# Altium PCB LimeSDR-Micro_M.2_1v0.PcbDoc (part 7 of 7)
Units mm, origin at the board's own origin, x right, y up, seen from the top; angles counter-clockwise.
Board outline 80 x 22 mm, 8 copper layers (Top, L2, L3, L4, L5, L6, L7, Bottom), stack 0.775 mm thick; 661 components, 371 nets, 2334 pads, 807 vias.
Unrouted connection lines stored in the file: 254.
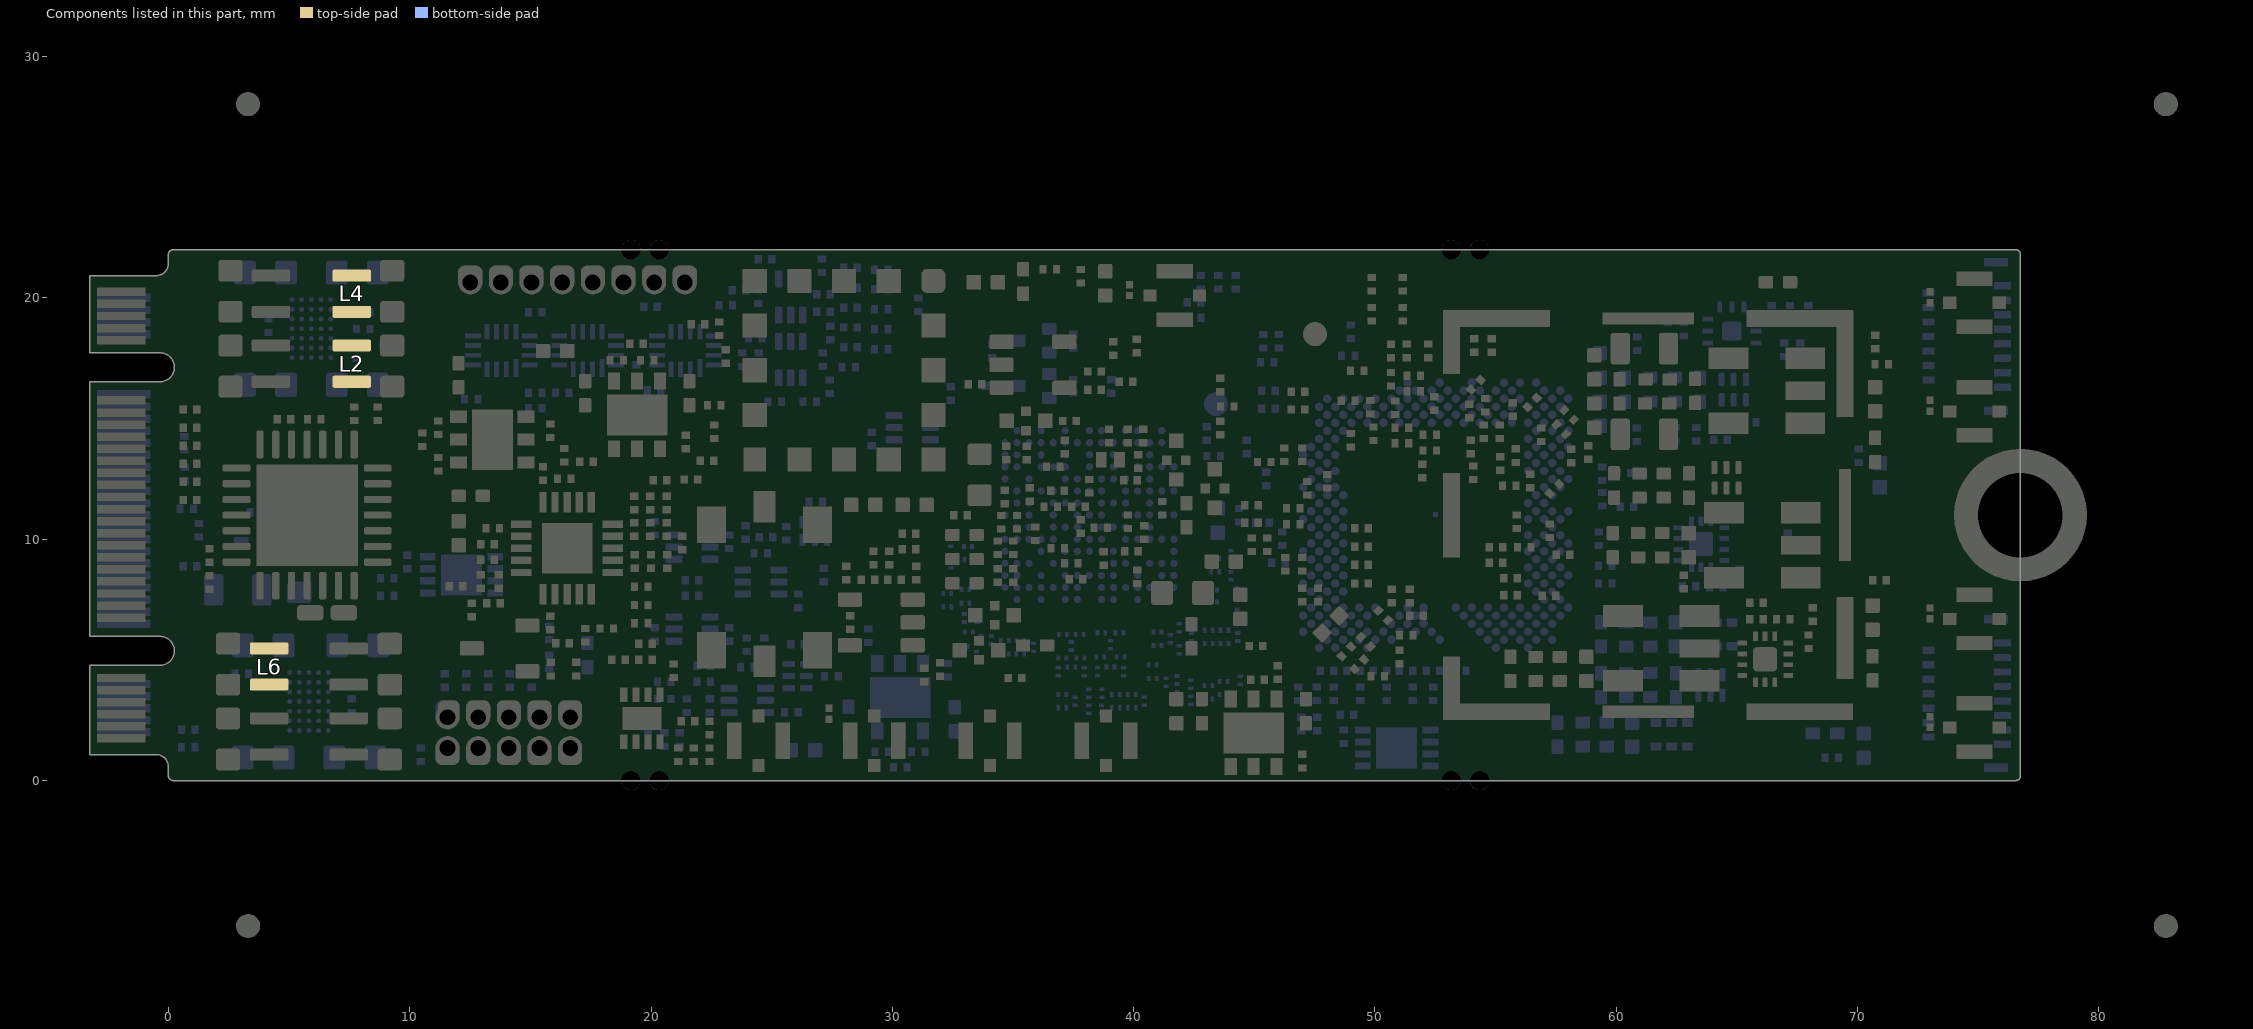
[diagram p13: the components of this part, seen from the top]

## Other copper
Top:
  region net VCC0P9: 36.919,9.944 36.775,9.8 36.775,8.794 36.374,8.393 36.125,8.393 36.125,9.625 36.25,9.75 36.25,10.15 36.482,10.382
  region net VCC0P9: 36.375,6.984 36.375,8.008 36.182,8.201 35.975,7.994 35.975,7.875 35.6,7.5 35.6,6.991 35.866,6.725 36.116,6.725
  pour cut-out: 74.1,15.75 70.4,15.75 ccw(c70.4,15.5) 70.15,15.5 70.15,13.15 ccw(c70.75,13.15) 70.75,12.55 ccw(c70.75,13.1) 71.3,13.1 71.3,14.05 cw(c72.05,14.05) 72.05,14.8 74.1,14.8
  pour cut-out: 74.1,2.675 72.866,2.675 ccw(c72.866,2.334) 72.625,2.575 cw(c72.263,2.937) 72.263,2.425 70.925,2.425 ccw(c70.925,1.975) 70.475,1.975 ccw(c70.975,1.975) 70.975,1.475 72.598,1.475 ccw(c72.598,1.902) 72.9,1.6 cw(c73.141,1.359) 73.141,1.7 74.125,1.7
  pour cut-out: 65.875,4.375 65.875,3.7 ccw(c66.375,3.7) 66.375,3.2 70.625,3.2 ccw(c70.625,3.8) 71.225,3.8 71.225,5.35 cw(c71.625,5.35) 71.625,5.75 71.907,5.75 ccw(c71.907,6.518) 72.45,5.975 cw(c72.993,5.432) 72.993,6.2 74.45,6.2 74.45,7.175 72.533,7.175 ccw(c72.533,6.492) 72.05,6.975 cw(c71.507,7.518) 71.507,6.75 70.275,6.75 ccw(c70.275,6.4) 69.925,6.4 69.925,4.275 cw(c69.75,4.275) 69.75,4.1 66.725,4.1 cw(c66.725,4.375) 66.45,4.375
  pour cut-out: 62.825,20.025 62.825,19.975 ccw(c63.275,19.975) 63.275,19.525 ccw(c63.275,20.007) 63.757,20.007 63.757,20.025 cw(c63.957,20.025) 63.957,20.225 69.403,20.225 cw(c69.403,19.446) 69.953,19.997 70.025,19.925 ccw(c71.292,21.192) 71.292,19.4 74.4,19.4 74.4,20.225 71.36,20.225 cw(c71.36,21.335) 70.575,20.55 ccw(c69.187,19.162) 69.187,21.125 63.925,21.125 ccw(c63.925,20.025)
  pour cut-out: 31.825,17.975 32.856,19.006 cw(c34.652,17.21) 34.652,19.75 35.584,19.75 ccw(c35.584,21.116) 36.55,20.15 cw(c37.335,19.365) 37.335,20.475 41.225,20.475 41.225,19.7 38.497,19.7 ccw(c38.497,18.078) 37.35,19.225 37.22,19.095 cw(c36.025,20.29) 36.025,18.6 34.414,18.6 ccw(c34.414,17.661) 33.75,18.325 32.851,17.426 ccw(c33.576,16.7) 32.55,16.7 32.55,16.075 30.775,16.075 30.775,17.975
  pour cut-out: 66.666,4.45 68.166,4.45 ccw(c68.166,5.475) 69.191,5.475 69.191,11.875 ccw(c67.691,11.875) 67.691,13.375 64.716,13.375 64.716,12.525 67.416,12.525 cw(c67.416,11.475) 68.466,11.475 68.466,5.925 cw(c68.166,5.925) 68.166,5.625 66.666,5.625
  pour cut-out: 53.091,7.55 53.091,6.825 ccw(c53.441,6.825) 53.441,6.475 cw(c53.441,5.15) 54.766,5.15 54.766,4.2 ccw(c55.416,4.2) 55.416,3.55 61.441,3.55 61.441,7.525 59.841,7.525 cw(c59.841,7.85) 59.516,7.85 59.516,8.45 cw(c59.791,8.45) 59.791,8.725 62.866,8.725 cw(c62.866,8.45) 63.141,8.45 63.141,8.15 ccw(c63.616,8.15) 63.616,7.675 68.666,7.675 68.666,9.975 66.441,9.975 cw(c66.441,10.65) 65.766,10.65 65.766,11.35 ccw(c65.416,11.35) 65.416,11.7 64.416,11.7 64.416,13.35 59.691,13.35 ccw(c59.691,11.8) 58.141,11.8 58.141,7.775 cw(c57.816,7.775) 57.816,7.45 55.157,7.45 cw(c55.157,7.791) 54.916,7.55 ccw(c54.614,7.248) 54.614,7.675 53.216,7.675 ccw(c53.216,7.55)
  pour cut-out: 54.741,16.725 54.741,16.2 ccw(c55.141,16.2) 55.141,15.8 55.465,15.8 ccw(c55.465,17.251) 56.491,16.225 56.659,16.393 cw(c57.141,15.911) 57.141,16.593 57.198,16.593 cw(c57.198,16.375) 57.416,16.375 ccw(c58.466,16.375) 58.466,15.325 62.203,15.325 cw(c62.203,14.462) 63.066,14.462 ccw(c63.578,14.462) 63.578,13.95 65.266,13.95 ccw(c65.266,14.575) 65.891,14.575 65.891,16.15 cw(c66.566,16.15) 66.566,16.825 69.041,16.825 69.041,19.221 65.291,19.221 65.291,19.5 ccw(c64.966,19.5) 64.966,19.825 64.766,19.825 ccw(c64.766,19.375) 64.316,19.375 64.316,18.95 cw(c63.791,18.95) 63.791,18.425 ccw(c63.791,18.05) 63.416,18.05 63.416,17.825 cw(c62.741,17.825) 62.741,17.15 58.916,17.15 cw(c58.916,17.325) 58.741,17.325 ccw(c58.241,17.325) 58.241,17.825 56.802,17.825 ccw(c56.802,16.289) 55.716,17.375 55.407,17.066 cw(c55.066,17.408) 55.066,16.925 54.941,16.925 ccw(c54.941,16.725)
  region net NetIC27_A2: 5.402,17.578 5.402,16.764 5.278,16.641 4.801,17.118 4.801,17.401 5.225,17.825
  region net NetIC27_F2: 5.402,19.872 5.402,20.686 5.278,20.809 4.801,20.332 4.801,20.049 5.225,19.625
  region net VCC1P5: 4.425,3.325 4.425,3.775 5.125,3.775 5.125,3.325
  region net VCC2P05: 5.125,3.225 4.425,3.225 4.425,2.65 5.125,2.65
  region net NetIC31_F2: 6.525,2.375 7.1,1.8 7.1,1.625 6.425,1.625 6.225,1.825 6.225,2.425
  region net NetIC31_F4: 5.125,2.375 4.55,1.8 4.55,1.625 5.225,1.625 5.425,1.825 5.425,2.425
  region net NetIC31_A4: 5.125,4.175 4.55,4.75 4.55,4.925 5.225,4.925 5.425,4.725 5.425,4.125
  region net NetIC31_A2: 6.525,4.175 7.1,4.75 7.1,4.925 6.425,4.925 6.225,4.725 6.225,4.125
  region net GND: 3.463,21.278 2.601,21.278 2.575,21.252 2.423,21.404 2.423,21.796 3.333,21.796 3.475,21.654 3.475,21.283
  region net GND: 2.125,15.875 3.025,15.875 3.175,16.025 3.175,16.775 2.975,16.975 2.1,16.975 1.925,16.8 1.925,16.075
  region net GND: 73.4,7.571 73.4,8.254 74.225,8.254 74.225,7.575
  pour cut-out: -3.25,1.075 -3.25,4.775 -0.575,4.775 -0.575,1.075
  pour cut-out: -3.25,16.525 -3.25,5.975 -0.575,5.975 -0.575,16.525
  pour cut-out: -3.25,20.925 -3.25,17.725 -0.575,17.725 -0.575,20.925
  region net GND: 10.033,21.796 8.5,21.796 8.5,20.575 8.7,20.375 9.275,20.375 9.633,20.733 10.081,20.733 10.3,20.953 10.3,21.529
  region net GND: 16.925,15.85 16.925,15.275 17.9,14.3 18.275,14.3 18.8,14.825 18.8,16 17.075,16
  region net GND: 10.086,16.917 9.808,16.917 9.675,17.05 8.95,17.05 8.675,16.775 8.675,16.075 8.725,16.025 9.375,16.025 9.675,16.325 9.675,16.6 9.738,16.663 10.086,16.663
  region net GND: 3.175,20.675 2.925,20.425 1.725,20.425 1.65,20.5 1.65,21.629 1.817,21.796 3.029,21.796 3.175,21.65
  region net GND: 13.3,11.65 13.65,12 13.65,12.95 12.575,12.95 12.575,11.95 12.875,11.65
  region net GND: 38.346,0.204 39.354,0.204 39.354,0.646 38.346,0.646
  region net GND: 33.546,0.646 34.554,0.646 34.554,0.204 33.546,0.204
  region net GND: 28.746,0.646 29.754,0.646 29.754,0.204 28.746,0.204
  region net GND: 8.575,1.325 8.825,1.575 9.936,1.575 9.936,1.002 9.682,0.748 8.702,0.748 8.575,0.75
  region net GND: 8.417,0.204 10.475,0.204 10.475,0.748 8.398,0.748 8.304,0.654
  region net GND: 1.717,0.204 3.233,0.204 3.375,0.346 3.375,0.717 1.745,0.717 1.714,0.748
  region net GND: 8.575,5.1 8.575,6 8.7,6.125 9.675,6.125 9.875,5.925 9.875,5.025 9.725,4.875 8.8,4.875
  region net VCC1P35_SW: 2,17.693 2,17.375 2.15,17.225 3.475,17.225 3.917,17.667
  region net VCC3P3: 2,19.362 2,20.075 2.15,20.225 3.475,20.225 4.306,19.394
  region net VCC1P8: 32.175,6.625 32.425,6.625 32.5,6.55 32.5,5.8 31.975,5.8 31.65,6.125
  region net VCC1P8: 31.725,6.625 31.65,6.55 31.65,5.7 32.7,4.65 32.825,4.65 33.125,4.95 33.125,5.675 32.175,6.625
  region net VCC1P35_SW: 39.8,18.5 40.15,18.85 40.7,18.85 41.425,18.125 41.425,17.725 41.225,17.525 40.925,17.525 40.35,18.1 39.975,18.1 39.8,18.275
  region net VCC1P5: 42.1,2.675 42.1,1.475 41.875,1.25 40.825,1.25 40.675,1.4 40.675,2.4 40.95,2.675 41.425,2.675
  region net VCC1P8: 33.6,18.075 32.975,17.45 32.975,16.925 33.15,16.75 33.3,16.75 33.625,16.425 33.705,16.425 33.863,16.582 33.863,17.987 33.775,18.075
  region net VCC2P05: 2.1,3.225 1.275,3.225 1.075,3.025 1.075,2.375 1.263,2.187 2.029,2.187
  region net VCC2P05: 15.825,18.15 15.45,18.15 15.05,18.55 13.375,18.55 12.95,18.125 12.95,17.475 13.3,17.125 15.4,17.125 15.725,17.45 15.825,17.55
  region net VCC1P75: 9.55,3.325 9.7,3.325 9.975,3.6 9.975,4.35 9.9,4.425 9.625,4.425 9.55,4.35
  region net VCC3P3: 42.05,5.775 42.05,5.3 42.175,5.175 42.45,5.175 42.75,4.875 43.325,4.875 43.425,4.975 43.425,5.575 43.225,5.775
  region net NetC236_2: 16.225,16.55 16.575,16.2 18.725,16.2 18.725,16.9 17.581,16.9 17.206,17.275 16.225,17.275
  region net NetC236_2: 19.3,17.925 17.475,17.925 17.25,17.7 17.25,16.762 17.038,16.55 16.225,16.55 16.225,18 17.05,18.825 19.175,18.825 19.325,18.675 19.325,17.95
  region net VCC1P8_LMS: 19.95,16.2 19.95,17.6 19.7,17.85 19.525,17.85 19.525,18.5 19.65,18.625 20.775,18.625 21.437,17.963 21.437,16.2
  region net VCC2P05: 5.3,2.7 4.725,2.125 2.025,2.125 1.9,2.25 1.9,3.025 2.1,3.225 4.425,3.225 4.65,3 4.9,3 5.125,3.225 5.45,3.225 5.6,3.075 5.6,2.85 5.45,2.7
  region net VCC1P5: 5.3,3.85 4.725,4.425 2.025,4.425 1.9,4.3 1.9,3.525 2.1,3.325 4.425,3.325 4.65,3.55 4.9,3.55 5.125,3.325 5.45,3.325 5.6,3.475 5.6,3.7 5.45,3.85
  region net NetC218_2: 44.975,5.175 44.5,4.7 44.5,4.05 44.2,3.75 42.9,3.75 42.663,3.987 43.525,4.85 43.525,5.325 44.225,6.025 44.825,6.025 44.975,5.875
  region net VCC1P25_LMS: 45.375,5.225 46.075,5.225 46.875,4.425 47.725,4.425 47.85,4.3 47.85,3.525 48.55,3.525 48.55,4.675 47.809,5.416 47.809,6.45 45.575,6.45 45.2,6.075 45.2,5.4
  region net NetC218_2: 44.275,3.025 44.275,3.825 44.025,4.075 41.85,4.075 41.475,3.7 41.475,3.1 41.55,3.025
  region net VCC1P8_LMS: 20.125,16.2 20.125,16.925 20.3,17.1 20.3,17.625 20.638,17.963 21.437,17.963 22.925,16.475 22.925,16.3 22.825,16.2
  region net NetC245_2: 10.725,14 10.825,13.9 10.825,12.525 11.2,12.15 12.325,12.15 12.375,12.1 12.375,10.45 11.3,10.45 10,11.75 10,13.85 10.15,14
  region net VCC3P3_CLK: 10.7,14.225 10.8,14.325 10.8,14.625 10.925,14.75 11.775,14.75 12.025,15 12.025,15.775 11.775,16.025 10.8,16.025 10,15.225 10,14.375 10.15,14.225
  region net VCC1P35: 39.9,17.95 39.8,17.85 39.8,16.6 40.05,16.35 41.025,16.35 41.125,16.45 41.125,17.15 40.7,17.575 40.325,17.95
  region net VCC1P25_LMS: 48.015,2.35 49.45,2.35 49.45,2.975 48.575,3.85 47.45,3.85 47.275,3.675 47.275,3.09
  region net VCC1P35_LDO: 39.151,17.624 38.3,18.475 36.725,18.475 36.625,18.375 36.625,17.825 37.125,17.325 38.2,17.325 39.025,16.5
  region net VCC1P35_LDO: 39.5,16.35 39.175,16.35 38.85,16.675 38.575,16.675 38.425,16.825 38.425,17.725 38.475,17.775 39.1,17.775 39.55,17.325 39.55,16.4
  region net VCC1P75: 6.35,3.85 6.925,4.425 9.625,4.425 9.75,4.3 9.75,3.525 9.55,3.325 7.225,3.325 7,3.55 6.75,3.55 6.525,3.325 6.2,3.325 6.05,3.475 6.05,3.7 6.2,3.85
  region net VCC1P25_LMS: 49.45,2.35 48.853,2.947 48.853,3.55 50.15,3.55 50.7,3 50.7,2.725 50.325,2.35
  region net VCC1P25_LMS: 46.05,2.3
  region net NetIC31_F2: 6.075,2.425 6.1,2.4 6.1,1.325 6.6,0.825 8.275,0.825 8.3,0.85 8.3,1.475 7.825,1.95 6.825,1.95 6.525,2.25 6.525,2.375 6.3,2.6 6.225,2.6 6.075,2.45
  region net VCC_CLK: 6.35,2.7 6.925,2.125 9.625,2.125 9.75,2.25 9.75,3.025 9.55,3.225 7.225,3.225 7,3 6.75,3 6.525,3.225 6.2,3.225 6.05,3.075 6.05,2.85 6.2,2.7
  region net NetIC31_A2: 6.075,4.125 6.1,4.15 6.1,5.225 6.6,5.725 8.275,5.725 8.3,5.7 8.3,5.075 7.825,4.6 6.825,4.6 6.525,4.3 6.525,4.175 6.3,3.95 6.225,3.95 6.075,4.1
  region net NetIC31_F4: 5.575,2.425 5.55,2.4 5.55,1.325 5.05,0.825 3.375,0.825 3.35,0.85 3.35,1.475 3.825,1.95 4.825,1.95 5.125,2.25 5.125,2.375 5.35,2.6 5.425,2.6 5.575,2.45
  region net NetIC31_A4: 5.575,4.125 5.55,4.15 5.55,5.225 5.05,5.725 3.375,5.725 3.35,5.7 3.35,5.075 3.825,4.6 4.825,4.6 5.125,4.3 5.125,4.175 5.35,3.95 5.425,3.95 5.575,4.1
  region net VCC0P9: 6.45,18.15 6.725,17.875 6.725,17.75 6.925,17.55 8.15,17.55 8.5,17.2 9.85,17.2 10.025,17.025 10.325,17.025 10.85,17.55 10.85,18.1 10.275,18.675 6.325,18.675 6.175,18.525 6.175,18.225 6.25,18.15
  region net VCC1P8: 6.45,19.3 6.725,19.575 6.725,19.7 6.925,19.9 8.15,19.9 8.5,20.25 9.45,20.25 9.825,20.625 10.4,20.625 10.775,20.25 10.775,19.5 10.05,18.775 6.325,18.775 6.175,18.925 6.175,19.225 6.25,19.3
  region net VCC1P35_SW: 5.4,18.15 4.825,17.575 2.125,17.575 2,17.7 2,18.475 2.2,18.675 4.525,18.675 4.75,18.45 5,18.45 5.225,18.675 5.55,18.675 5.7,18.525 5.7,18.3 5.55,18.15
  region net VCC3P3: 5.4,19.3 4.825,19.875 2.125,19.875 2,19.75 2,18.975 2.2,18.775 4.525,18.775 4.75,19 5,19 5.225,18.775 5.55,18.775 5.7,18.925 5.7,19.15 5.55,19.3
  region net NetIC27_A2: 5.675,17.875 5.65,17.85 5.65,16.775 5.15,16.275 3.475,16.275 3.45,16.3 3.45,16.925 3.925,17.4 4.925,17.4 5.225,17.7 5.225,17.825 5.45,18.05 5.525,18.05 5.675,17.9
  region net NetIC27_A4: 6.175,17.875 6.2,17.85 6.2,16.775 6.7,16.275 8.375,16.275 8.4,16.3 8.4,16.925 7.925,17.4 6.925,17.4 6.625,17.7 6.625,17.825 6.4,18.05 6.325,18.05 6.175,17.9
  region net NetIC27_F2: 5.675,19.575 5.65,19.6 5.65,20.675 5.15,21.175 3.475,21.175 3.45,21.15 3.45,20.525 3.925,20.05 4.925,20.05 5.225,19.75 5.225,19.625 5.45,19.4 5.525,19.4 5.675,19.55
  region net NetIC27_F4: 6.175,19.575 6.2,19.6 6.2,20.675 6.7,21.175 8.375,21.175 8.4,21.15 8.4,20.525 7.925,20.05 6.925,20.05 6.625,19.75 6.625,19.625 6.4,19.4 6.325,19.4 6.175,19.55
  region net VCC0P9_AFE_SVDD: 35.816,8.525 35.916,8.625 35.916,9.5 35.816,9.6 33.266,9.6 32.916,9.25 32.916,6.6 33.091,6.425 33.716,6.425 33.891,6.6 33.891,8.275 34.141,8.525
  pour cut-out: 64.416,11.385 65.766,11.385 65.766,12.525 64.416,12.525
  region net VCC0P9: 34.741,6.55 35.091,6.55 35.391,6.25 35.641,6.25 36.141,6.75 36.141,7.356 35.872,7.625 35.091,7.625 34.741,7.275
  region net VCC1P35: 35.2,15.55 35.1,15.65 34.041,15.65 33.916,15.525 33.916,15.012 34.428,14.5 35.2,14.5
  region net VCC1P8: 41.716,9.85 41.941,10.075 42.491,10.075 42.616,10.075 42.716,9.975 42.716,9.35 42.591,9.225 41.716,9.225
  region net VCC1P8_AFE_OTVDD: 39.491,9.125 39.491,8.65 39.566,8.575 40.316,8.575 40.391,8.65 40.391,8.9 40.241,9.05 40.091,9.2 39.566,9.2
  region net GND: 34.316,10.575 34.116,10.375 34.116,9.85 34.191,9.775 36.091,9.775 36.141,9.825 36.141,10.1 36.041,10.2 35.666,10.2 35.291,10.575
  region net VCC1P8: 39.667,11.825 38.541,11.825 38.491,11.875 38.491,12.625 39.667,12.625
  region net VCC1P35: 34.891,13.7 34.916,13.725 34.916,14.2 35.2,14.484 35.2,15.091 35.041,15.25 34.441,15.25 34.316,15.125 34.316,14.1 34.516,13.9 34.516,13.725 34.541,13.7
  region net VCC1P35_SD_XVDD: 36.478,14.275 36.366,14.162 36.366,13.85 36.623,13.592 36.623,13.5 36.3,13.5 35.911,13.889 35.911,14.11 36.076,14.275 36.166,14.275
  region net VCC1P35_SD_XVDD: 36.166,14.275 36.791,14.275 37.241,14.725 37.241,15.2 37.016,15.425 36.016,15.425 35.866,15.275 35.866,14.155 35.956,14.065
  region net VCC1P35_SD_XVDD: 36.066,14.175 35.541,14.175 35.391,14.025 35.391,13.675 35.449,13.617 36.183,13.617
  region net VCC1P35_SD_XVDD: 36.791,12.8 37.266,12.8 37.341,12.875 37.341,13.675 37.316,13.7 36.816,13.7 36.766,13.65 36.766,12.825
  region net VCC1P35_AVDD_SD_PLL: 34.891,13.425 34.891,13.325 35.291,12.925 35.816,12.925 35.891,12.85 35.891,11.975 35.741,11.825 35.091,11.825 34.991,11.725 34.366,11.725 34.016,11.375 33.191,11.375 33.016,11.55 33.016,12.275 33.091,12.35 33.891,12.35 34.35,12.809 34.35,13.284 34.516,13.45 34.866,13.45
  region net VCC0P9: 36.591,11.475 36.591,9.895 37.341,9.9 37.391,9.95 37.391,10.866 37.591,11.066 37.591,11.6 37.491,11.7 36.816,11.7
  pour cut-out: 62.366,7.45 62.366,5.65 64.766,5.65 64.766,7.45
  region net VCC1P8_LMS: 62.516,13.7 62.741,13.925 62.941,13.925 63.066,14.05 63.066,14.875 62.941,15 61.941,15 61.766,14.825 61.766,14 62.066,13.7
  region net VCC1P8_LMS: 61.766,17.15 62.741,17.15 63.166,17.575 63.166,18.475 63.091,18.55 62.691,18.55 62.341,18.55 62.341,18.475 61.766,17.9
  region net NetC52_1: 48.686,9.83
  region net VCC1P8_LMS: 20.3,16.55
  region: 12.025,15.075
L2:
  pour cut-out: 55.876,3.815 55.351,3.815 55.351,4.44 55.876,4.44
  pour cut-out: 56.356,3.865 56.356,4.39 56.981,4.39 56.981,3.865
  pour cut-out: 56.356,4.865 56.356,5.39 56.981,5.39 56.981,4.865
  pour cut-out: 59.078,3.815 58.451,3.815 58.451,4.44 59.078,4.44
  pour cut-out: 55.876,5.435 55.351,5.435 55.351,4.81 55.876,4.81
  pour cut-out: 59.078,5.435 58.451,5.435 58.451,4.81 59.078,4.81
  pour cut-out: 57.976,3.865 57.976,4.39 57.351,4.39 57.351,3.865
  pour cut-out: 57.976,4.865 57.976,5.39 57.351,5.39 57.351,4.865
  pour cut-out: 59.403,15.315 58.776,15.315 58.776,15.94 59.403,15.94
  pour cut-out: 59.403,16.935 58.776,16.935 58.776,16.31 59.403,16.31
  pour cut-out: 62.501,16.365 62.501,16.89 61.876,16.89 61.876,16.365
  pour cut-out: 62.501,15.365 62.501,15.89 61.876,15.89 61.876,15.365
  pour cut-out: 60.401,16.935 59.876,16.935 59.876,16.31 60.401,16.31
  pour cut-out: 60.881,16.365 60.881,16.89 61.506,16.89 61.506,16.365
  pour cut-out: 60.881,15.365 60.881,15.89 61.506,15.89 61.506,15.365
  pour cut-out: 60.401,15.315 59.876,15.315 59.876,15.94 60.401,15.94
  pour cut-out: 63.501,15.315 62.976,15.315 62.976,15.94 63.501,15.94
  pour cut-out: 63.501,16.935 62.976,16.935 62.976,16.31 63.501,16.31
  pour cut-out: 63.274,13.035 62.749,13.035 62.749,12.41 63.274,12.41
  pour cut-out: 63.274,11.415 62.749,11.415 62.749,12.04 63.274,12.04
  pour cut-out: 60.174,11.415 59.649,11.415 59.649,12.04 60.174,12.04
  pour cut-out: 60.654,11.465 60.654,11.99 61.279,11.99 61.279,11.465
  pour cut-out: 60.654,12.465 60.654,12.99 61.279,12.99 61.279,12.465
  pour cut-out: 60.174,13.035 59.649,13.035 59.649,12.41 60.174,12.41
  pour cut-out: 62.274,11.465 62.274,11.99 61.649,11.99 61.649,11.465
  pour cut-out: 62.274,12.465 62.274,12.99 61.649,12.99 61.649,12.465
  pour cut-out: 62.214,9.99 62.214,10.515 61.589,10.515 61.589,9.99
  pour cut-out: 62.214,8.99 62.214,9.515 61.589,9.515 61.589,8.99
  pour cut-out: 63.316,10.56 62.689,10.56 62.689,9.935 63.316,9.935
  pour cut-out: 60.114,10.56 59.589,10.56 59.589,9.935 60.114,9.935
  pour cut-out: 63.316,8.94 62.689,8.94 62.689,9.565 63.316,9.565
  pour cut-out: 60.594,9.99 60.594,10.515 61.219,10.515 61.219,9.99
  pour cut-out: 60.594,8.99 60.594,9.515 61.219,9.515 61.219,8.99
  pour cut-out: 60.114,8.94 59.589,8.94 59.589,9.565 60.114,9.565
  pour cut-out: 62.196,5.95 64.276,5.95 64.276,7.7 62.196,7.7
  pour cut-out: 68.541,9.275 66.824,9.275 66.824,7.8 68.541,7.8
  pour cut-out: 69.091,18.365 67.011,18.365 67.011,16.615 69.091,16.615
  pour cut-out: 65.911,15.675 63.831,15.675 63.831,13.925 65.911,13.925
  pour cut-out: 65.566,18.175 63.831,18.175 63.831,16.615 65.716,16.615 65.716,18.025
  pour cut-out: 65.724,9.275 63.644,9.275 63.644,7.525 65.724,7.525
  pour cut-out: 65.724,11.725 63.644,11.725 63.644,10.215 65.724,10.215
  pour cut-out: 61.536,4.995 59.456,4.995 59.456,3.245 61.536,3.245
  pour cut-out: 61.536,7.69 59.456,7.69 59.456,5.94 61.536,5.94
L4:
  region net VCC1P8: 33.225,7 32.475,6.25 31.75,6.25 31.625,6.375 31.625,6.9 31.9,7.175 32.125,7.175 32.75,7.8 33.225,7.8
  region net VCC1P4_LMS: 31.825,1.175 32.025,0.975 32.875,0.975 33.175,1.275 32.85,1.6 31.825,1.6
  region net VCC1P4_LMS: 31.825,2.025 32.025,2.225 32.875,2.225 33.175,1.925 32.85,1.6 31.825,1.6
  region net VCC1P8_LMS: 51.575,3.525 51.016,3.525 50.916,3.625 50.916,3.825 50.991,3.9 51.191,3.9 51.316,4.025 51.816,4.025 51.816,3.766
  region: 51.916,3.525
L6:
  region net VCC1P8: 9.462,19.687 9.9,19.25 10.025,19.25 10.5,19.725 10.5,20.3 10.4,20.4 10.175,20.4
  region net VCC_EXT: 5.175,5.55 5.4,5.325 6.15,5.325 7.15,4.325 7.15,2.275 6.375,1.5 5.525,1.5 5.3,1.275 5.3,0.825 5.425,0.7 7.75,0.7 8.225,1.175 8.225,5.225 6.975,6.475 5.35,6.475 5.175,6.3
  region net VCC3P3_M.2: 0.325,6.4 0.325,6.875 0,7.2 0,7.8 0.425,8.225 1.225,8.225 1.425,8.025 1.425,6.4
  region net VCC0P9: 38.341,10.725 38.466,10.85 38.466,11.075 38.566,11.175 38.841,11.175 39.341,10.675 39.341,10.425 39.141,10.225 38.341,10.225
  text "A" at 72.325,11.575 h0.7
  text "V" at 73.325,11.575 h0.7
  text "L" at 72.8,11 h0.7
  text "D" at 72.575,9.875 h0.7
  text "R" at 73.125,9.875 h0.7
Bottom:
  pour cut-out: 65.266,15.25 65.8,15.25 ccw(c65.8,15.725) 66.275,15.725 66.275,17.266 ccw(c65.916,17.266) 65.916,17.625 65.291,17.625
  pour cut-out: 63.316,18.225 cw(c63.316,18.575) 62.966,18.575 62.966,20.141 cw(c63.275,20.141) 63.275,20.45 cw(c63.275,20.1) 63.625,20.1 63.625,19.291 ccw(c63.791,19.291) 63.791,19.125 64.316,19.125 cw(c64.316,18.952) 64.488,18.952 64.488,18.763 cw(c63.95,18.763) 63.95,18.225
  pour cut-out: 61.6,1.025 cw(c61.6,0.059) 62.283,0.742 62.325,0.7 ccw(c62.868,1.243) 62.868,0.475 63.3,0.475 ccw(c63.3,1.175) 64,1.175 64,1.496 cw(c64.854,1.496) 64.25,2.1 64.457,2.307 ccw(c63.689,3.075) 64.775,3.075 63.899,3.075 62.799,1.975 61.6,1.975
  pour cut-out: 64.35,11.575 cw(c64.35,9.6) 66.325,9.6 66.325,4.3 ccw(c68.2,4.3) 68.2,2.425 71,2.425 71,1.475 68.077,1.475 cw(c68.077,4.015) 66.281,2.219 65.743,2.757 ccw(c64.975,1.989) 64.975,3.075 63.899,3.075 63.899,4.1 64.675,4.1 ccw(c64.675,4.425) 65,4.425 65,6.425 ccw(c64.55,6.425) 64.55,6.875 63.125,6.875 cw(c63.125,8.25) 61.75,8.25 61.75,9.301 cw(c62.774,9.301) 62.05,10.025 62.335,10.31 ccw(c61.695,10.95) 62.6,10.95 cw(c63.225,10.95) 63.225,11.575
  pour cut-out: 56.816,2.65 56.935,2.53 ccw(c57.25,2.845) 57.25,2.4 57.56,2.4 57.563,2.403 57.563,1.403 57.25,1.403 cw(c57.25,3.184) 55.991,1.925
  pour cut-out: 59.209,3.45 57.745,3.45 cw(c57.745,5.755) 56.116,4.125 55.815,4.426 cw(c56.839,5.45) 55.391,5.45 55.391,6.375 56.427,6.375 56.427,5.121 56.898,4.65 59.209,4.65
  pour cut-out: 53.771,4.672 ccw(c55.044,4.672) 54.144,3.772 55.991,1.925 ccw(c56.594,2.529) 56.594,1.675 56.816,1.675 56.816,2.65 54.678,4.788 cw(c55.19,5.3) 54.466,5.3 53.771,5.3
  pour cut-out: 55.341,16.075 55.341,16.95 cw(c56.066,16.95) 56.066,17.675 57.302,17.675 cw(c57.302,16.736) 57.966,17.4 ccw(c58.931,18.366) 58.931,17 58.966,17 58.966,15.4 cw(c58.966,16.064) 58.496,15.594 57.386,16.704 ccw(c57.216,16.534) 57.216,16.775 56.841,16.775 ccw(c56.841,16.425) 56.491,16.425 56.491,16.075
  pour cut-out: 57.32,1.024 63.32,1.024 63.32,2.774 57.32,2.774
  pour cut-out: 59.125,3.075 65.125,3.075 65.125,4.825 59.125,4.825
  pour cut-out: 59.125,5.175 65.125,5.175 65.125,7.1 59.125,7.1
  pour cut-out: -3.25,20.925 -3.25,17.725 -0.575,17.725 -0.575,20.925
  pour cut-out: -3.25,16.525 -3.25,5.975 -0.575,5.975 -0.575,16.525
  pour cut-out: -3.25,1.075 -3.25,4.775 -0.575,4.775 -0.575,1.075
  region net GND: 8.125,0.35 9.35,0.35 9.6,0.6 9.6,1.625 9.3,1.925 8.15,1.925 7.939,1.714 7.939,0.536
  region net GND: 9.273,15.593 8.432,15.593 8.225,15.8 8.225,17 8.277,17.052 9.277,17.052 9.453,16.875 9.5,16.875 9.5,15.82
  region net GND: 3.031,20.45 3.238,20.45 3.518,20.17 4.142,20.17 4.142,21.533 3.879,21.796 3.479,21.796 3.031,21.348
  region net GND: 3.811,20.45 2.25,20.45 2.1,20.6 2.1,21.401 2.495,21.796 3.479,21.796 3.811,21.464
  region net GND: 8.225,20.45 8.35,20.325 9.225,20.325 9.425,20.525 9.425,21.525 9.3,21.65 8.225,21.65
  region net GND: 7.35,3.975 7.225,3.85 6.575,3.85 6.525,3.8 6.525,3.2 6.625,3.1 7.315,3.1 7.5,3.285 7.5,3.85 7.375,3.975
  region net GND: 4.4,18.025 4.525,18.15 5.175,18.15 5.225,18.2 5.225,18.8 5.125,18.9 4.5,18.9 4.25,18.65 4.25,18.15 4.375,18.025
  region net GND: 4.406,18.034
  region: 5.125,18.325
  region net GND: 2.625,6.05 2.95,6.375 3.75,6.375 4.042,6.083 4.042,5 3.711,5 3.611,5.1 2.625,5.1
  region net GND: 29.4,2.6 29.25,2.75 28.175,2.75 28.175,3.35 28.575,3.35 29.175,3.95 29.4,3.95
  region: 29.75,2.575
  region net VCC_EXT: 3.475,7.05 4.15,6.375 4.15,5.9 7.5,5.9 7.5,7.175 6.025,8.65 3.575,8.65 3.475,8.55
  region net VCC3P3_M.2: 2.6,7.15 1.875,6.425 0.8,6.425 0.3,6.925 0.3,7.775 1.075,8.55 2.3,8.55 2.6,8.25
  region net VCC3P3_M.2: -0.825,20.175 -0.5,20.175 -0.275,19.95 0.25,19.95 0.575,19.625 0.575,19.075 0.225,18.725 -0.65,18.725 -0.825,18.9
  region net VCC3P3_M.2: -0.775,2.675 0.15,2.675 0.25,2.575 0.25,1.95 0.125,1.825 -0.775,1.825
  region net NetC227_2: 26.5,1.425 26.5,0.85 27.125,0.225 30.1,0.225 30.2,0.325 30.2,0.725 30,0.925 28.8,0.925 28.637,1.088 28.637,1.337 28.55,1.425
  region net VCC1P4_LMS: 31.6,2.4 31.746,2.546 32.936,2.546 33.05,2.432 33.05,0.775 32.5,0.225 30.6,0.225 30.45,0.375 30.45,0.775 30.6,0.925 31.025,0.925 31.075,0.975 31.075,1.65 30.85,1.875 30.85,2.325 30.925,2.4
  region net VCC1P75: 26.1,1.775 25.95,1.925 24.975,1.925 24.65,1.6 24.65,0.6 24.85,0.4 25.975,0.4 26.1,0.525
  region net VCC_EXT: 6.525,2.55 6.525,2.925 6.575,2.975 7.525,2.975 7.775,2.725 7.775,2.15 7.475,1.85 7.225,1.85
  region net VCC_EXT: 7.6,17.725 7.825,17.5 7.825,16.2 7.6,15.975 6.975,16.6 6.975,17.1
  region net VCC_EXT: 5.225,19.45 5.225,19.075 5.175,19.025 4.225,19.025 3.975,19.275 3.975,19.85 4.275,20.15 4.525,20.15
  region net VCC_EXT: 5.125,5 5.225,5.1 5.225,6.05 5.075,6.2 4.325,6.2 4.15,6.025 4.15,4.275 4.475,3.95 5.075,3.95 5.125,4
  region net VCC_EXT: 6.425,5.1 4.825,5.1 4.325,5.6 4.325,6.2 6.425,6.2
  region net NetC227_2: 29.625,1.675 28.975,1.675 28.3,1 26.575,1 26.5,1.075 26.5,1.7 27.325,2.525 28.85,2.525 28.975,2.4 29.625,2.4
  region net VCC1P4_LMS: 31.275,2.05
  region net VCC_EXT: 5.55,6.2 6.575,6.2 6.575,5.725 6.425,5.575 6.425,5.1 5.55,5.1
  region net VCC_EXT: 6.1,0.35 5.075,0.35 5.075,0.825 5.225,0.975 5.225,1.45 6.1,1.45
  region net VCC_EXT: 5.55,0.35 6.575,0.35 6.575,0.825 6.425,0.975 6.425,1.45 5.55,1.45
  region net VCC_EXT: 5.125,1.55 5.225,1.45 5.225,0.5 5.075,0.35 4.325,0.35 4.15,0.525 4.15,2.275 4.475,2.6 5.075,2.6 5.125,2.55
  region net VCC_EXT: 6.525,1.55 6.425,1.45 6.425,0.5 6.575,0.35 7.325,0.35 7.5,0.525 7.5,2.275 7.175,2.6 6.575,2.6 6.525,2.55
  region net VCC_EXT: 6.525,5 6.425,5.1 6.425,6.05 6.575,6.2 7.325,6.2 7.5,6.025 7.5,4.275 7.175,3.95 6.575,3.95 6.525,4
  region net NetIC31_A4: 5.325,4.9 5.225,4.8 5.225,4.025 5.3,3.95 5.425,3.95 5.55,4.075 5.55,4.775 5.425,4.9
  region net NetIC31_F4: 5.325,1.65 5.225,1.75 5.225,2.525 5.3,2.6 5.425,2.6 5.55,2.475 5.55,1.775 5.425,1.65
  region net NetIC31_A2: 6.325,4.9 6.425,4.8 6.425,4.025 6.35,3.95 6.225,3.95 6.1,4.075 6.1,4.775 6.225,4.9
  region net NetIC31_F2: 6.325,1.65 6.425,1.75 6.425,2.525 6.35,2.6 6.225,2.6 6.1,2.475 6.1,1.775 6.225,1.65
  region net VCC_EXT: 6.2,21.65 5.175,21.65 5.175,21.175 5.325,21.025 5.325,20.55 6.2,20.55
  region net VCC_EXT: 5.65,21.65 6.675,21.65 6.675,21.175 6.525,21.025 6.525,20.55 5.65,20.55
  region net VCC_EXT: 5.65,15.8 6.675,15.8 6.675,16.275 6.525,16.425 6.525,16.9 5.65,16.9
  region net VCC_EXT: 6.2,15.8 5.175,15.8 5.175,16.275 5.325,16.425 5.325,16.9 6.2,16.9
  region net VCC_EXT: 5.225,17 5.325,16.9 5.325,15.95 5.175,15.8 4.425,15.8 4.25,15.975 4.25,17.725 4.575,18.05 5.175,18.05 5.225,18
  region net VCC_EXT: 6.625,17 6.525,16.9 6.525,15.95 6.675,15.8 7.425,15.8 7.6,15.975 7.6,17.725 7.275,18.05 6.675,18.05 6.625,18
  region net VCC_EXT: 5.225,20.45 5.325,20.55 5.325,21.5 5.175,21.65 4.425,21.65 4.25,21.475 4.25,19.725 4.575,19.4 5.175,19.4 5.225,19.45
  region net VCC_EXT: 6.625,20.45 6.525,20.55 6.525,21.5 6.675,21.65 7.425,21.65 7.6,21.475 7.6,19.725 7.275,19.4 6.675,19.4 6.625,19.45
  region net NetIC27_F2: 5.425,20.35 5.325,20.25 5.325,19.475 5.4,19.4 5.525,19.4 5.65,19.525 5.65,20.225 5.525,20.35
  region net NetIC27_A2: 5.425,17.1 5.325,17.2 5.325,17.975 5.4,18.05 5.525,18.05 5.65,17.925 5.65,17.225 5.525,17.1
  region net NetIC27_F4: 6.425,20.35 6.525,20.25 6.525,19.475 6.45,19.4 6.325,19.4 6.2,19.525 6.2,20.225 6.325,20.35
  region net NetIC27_A4: 6.425,17.1 6.525,17.2 6.525,17.975 6.45,18.05 6.325,18.05 6.2,17.925 6.2,17.225 6.325,17.1
  region net GND: 12.95,18.525 12.95,17.525 12.05,17.525 11.875,17.7 11.875,18.425 11.975,18.525
  region net GND: 43.641,8.375 43.641,7.95 43.716,7.875 44.241,7.875 44.366,8 44.366,8.325 44.266,8.425 43.691,8.425
  region net VCC1P8_LMS: 62.016,18.575 62.966,18.575 62.991,18.55 62.991,17.9 62.691,17.6 61.521,17.6 61.521,18.08
  region net GND: 69.019,14.898 69.019,15.725 69.491,15.725 69.491,14.898
  pour cut-out: 59.609,15 63.277,15 63.277,18.106 59.609,18.106
  region net VCC1P8_LMS: 62.216,14.8 62.416,15 63.316,15 63.541,14.775 63.541,14.475 63.466,14.4 63.141,14.4 62.941,14.2 62.791,14.2 62.591,14.4 62.391,14.4 62.216,14.575
  region: 44.316,1.7
  region net VCC1P25_LMS: 49.121,2.645 49.291,2.475 50.666,2.475 50.988,2.798 50.491,3.295 49.361,3.295 49.121,3.055

## Silkscreen, mask and mechanical layers (free items; w line width, h text height)
TopOverlay:
  drawing of 2361 lines, arcs and shapes, not listed
  text "Lime" at 54.475,20.75 h1.5
  text "SDR" at 57.75,20.75 h1.5
  text "Micro" at 61.05,20.75 h1.5
  text "A" at 72.875,20.375 h1 r90
  text "GNSS" at 43.311,20.15 h0.8
  text "75" at -0.9,19.85 h0.55
  text "M.2" at 56.1,19.525 h1.5
  text "2280" at 58.75,19.525 h1.5
  text "v1.0" at 62.025,19.525 h1.5
  text "GND" at 11.75,19.3 h0.5
  text "TXD" at 14.075,19.3 h0.5
  text "SDA" at 16.65,19.3 h0.5
  text "3P3" at 19.225,19.3 h0.5
  text "ANT" at 43.725,18.9 h0.8
  text "RXD" at 12.975,18.4 h0.5
  text "SCL" at 15.45,18.4 h0.5
  text "NC" at 18.025,18.4 h0.5
  text "GPIO" at 9.825,17.95 h0.8
  text "EXT" at 20.325,17.875 h0.5
  text "67" at -0.9,17.85 h0.55
  text "TX" at 72.95,17.825 h1 r90
  text "AUX" at 72.875,13.725 h1 r90
  text "PCIe M.2 B+M" at 0.45,6.55 h0.8 r90
  text "A1" at 4.25,6.5 h0.55
  text "A2" at 7.9,6.5 h0.55
  text "A" at 72.875,6.15 h1 r90
  text "JTAG" at 9.75,3.975 h0.8
  text "11" at -0.825,3.8 h0.55
  text "IN" at 38.25,3.275 h0.55
  text "RX" at 73.325,3.275 h1.1 r90
  text "ADF" at 23.175,3.225 h0.8
  text "CLK" at 28.025,3.225 h0.8
  text "OUT" at 33.225,3.225 h0.55
  text "PPS" at 35.225,2.875 h0.8
  text "B" at 72.9,1.6 h1 r90
  text "1" at -0.6,1.275 h0.55
BottomOverlay:
  drawing of 2335 lines, arcs and shapes, not listed
  text "GND" at 11,21.225 h0.5
  text "RXD" at 12.675,21.225 h0.5
  text "TXD" at 14.375,21.225 h0.5
  text "SCL" at 15.95,21.225 h0.5
  text "SDA" at 17.65,21.225 h0.5
  text "NC" at 18.767,21.225 h0.5
  text "3P3" at 22.475,21.225 h0.5
  text "EXT" at 24.2,21.225 h0.5
  text "8" at 22.675,20.325 h0.55
  text "1" at 11.955,20.27 h0.55
  text "74" at 0.65,20.05 h0.55
  text "GPIO" at 12.275,19.025 h0.8
  text "68" at 0.65,17.8 h0.55
  text "EXT" at 71.35,17.225 h0.8 r270
  text "LMS7002M" at 55.325,17.175 h0.7
  text "Micro" at 6.125,13.55 h1.5
  text "SDR" at 9.425,13.55 h1.5
  text "Lime" at 12.7,13.55 h1.5
  text "v1.0" at 5.15,12.325 h1.5
  text "2280" at 8.425,12.325 h1.5
  text "M.2" at 11.075,12.325 h1.5
  text "PCIe M.2 B+M" at -0.75,6.55 h0.8 r270
  text "JTAG" at 15.4,4.675 h0.8
  text "BB" at 71.3,3.975 h0.8 r270
  text "10" at 0.55,3.95 h0.55
  text "JTAG" at 37,2.375 h0.7
  text "2" at 10.155,2.295 h0.55
  text "10" at 18.68,2.22 h0.55
  text "TCK" at 35.912,1.35 h0.5
  text "TMS" at 37.563,1.35 h0.5
  text "TDO" at 39.312,1.35 h0.5
  text "TDI" at 40.938,1.35 h0.5
  text "RST" at 42.562,1.35 h0.5
  text "TX2" at 71.3,1.325 h0.8 r270
  text "2" at 0.1,1.125 h0.55
  text "1" at 10.03,0.92 h0.55
  text "9" at 18.455,0.92 h0.55
  text "1P8" at 35.862,0.475 h0.5
  text "GND" at 37.487,0.45 h0.5
  text "GND" at 39.312,0.45 h0.5
  text "NC" at 40.562,0.45 h0.5
  text "GND" at 42.562,0.425 h0.5
Mechanical1:
  drawing of 2588 lines, arcs and shapes, not listed
  text "LimeSDR-Micro M.2 2280 v1.0" at 246.425,288.375 h7
  text "CONTROLLED IMPEDANCE" at 106.525,274.875 h3
  text "STACKUP AND LAYER DESCRIPTION" at 235.525,274.875 h3
  text "GENERAL PARAMETERS" at 120.425,268.375 h1.7
  text "Parameter" at 142.425,264.6 h1.5
  text "Layer/Layers" at 187.925,264.375 h1.5
  text "Value" at 217.925,264.375 h1.5
  text "Top" at 182.925,259.575 h1.5
  text "17.5um" at 210.225,259.575 h1.5
  text "Copper foil thickness" at 107.425,259.375 h1.5
  text "102um (4 mils)" at 209.525,254.975 h1.5
  text "Dielectric thickness between layers" at 107.425,254.375 h1.5
  text "4.2" at 210.425,249.575 h1.5
  text "Dielectric permittivity between layers (Er)" at 107.425,249.375 h1.5
  text "Top-L2" at 182.925,248.375 h1.5
  text "Via type #2" at 327.3,247.33 h1.52
  text "Via type #1" at 357.2,247.305 h1.52
  text "17.5um" at 210.225,244.575 h1.5
  text "Copper foil thickness" at 107.425,244.375 h1.5
  text "Micro via" at 329.475,243.4 h1.52
  text "Bottom" at 182.925,243.375 h1.5
  text "Blind via" at 350.725,243.375 h1.52
  text "TH via" at 368.975,243.125 h1.52
  text "GERBER LAYER NAMES:" at 242.575,241.725 h1.52
  text "L7-Bot" at 331.425,240.325 h1.52
  text "L5-Bot" at 352.425,240.3 h1.52
  text "Top-Bot" at 368.425,240.05 h1.52
  text "102um (4 mils)" at 209.525,239.975 h1.5
  text "Dielectric thickness between layers" at 107.425,239.375 h1.5
  text "GTP" at 243.675,238.175 h1.52
  text "Top solder paste" at 248.775,237.825 h1
  text "GTO" at 243.675,235.1 h1.52
  text "Silkscreen" at 248.675,234.875 h1
  text "4.2" at 210.425,234.575 h1.5
  text "Dielectric permittivity between layers (Er)" at 107.425,234.375 h1.5
  text "ELECTRICAL LAYERS:" at 382.975,233.625 h1.52
  text "Bottom-L7" at 182.925,233.475 h1.5
  text "GTS" at 243.675,232.425 h1.52
  text "Soldermask (halogen free)" at 248.675,231.125 h1
  text "Top: RF/Signal/PWR/GND" at 383.65,230.15 h1.52
  text "GTL" at 243.675,229.925 h1.52
  text "0.5oz+plating" at 248.675,229.425 h1
  text "IT180A: 3313" at 297.137,227.275 h1.2
  text "4mil (102um)" at 279.837,227.25 h1
  text "PP" at 270.975,227.125 h1
  text "CALCULATIONS" at 106.425,226.875 h1.7
  text "G1" at 243.675,225.425 h1.52
  text "1oz (35um)" at 248.675,225.225 h1
  text "L2: GND" at 383.675,225.125 h1.52
  text "IT180A: 3313" at 297.125,222.775 h1.2
  text "4mil (102um)" at 279.825,222.75 h1
  text "CORE" at 270.975,222.625 h1
  text "Target impedance" at 113.425,221.875 h1.5
  text "Single-ended" at 182.925,221.875 h1.5
  text "50R" at 209.425,221.875 h1.5
  text "G2" at 243.675,220.925 h1.52
  text "1oz (35um)" at 248.675,220.725 h1
  text "L3: Signal/PWR/GND" at 383.675,220.625 h1.52
  text "IT180A: 2116" at 297.125,218.275 h1.2
  text "4.6mil (117um)" at 279.825,218.25 h1
  text "PP" at 270.975,218.125 h1
  text "Additional comments" at 113.425,216.875 h1.5
  text "Top layer, no side GND plane" at 182.925,216.875 h1.5
  text "G3" at 243.675,216.425 h1.52
  text "1oz (35um)" at 248.675,216.225 h1
  text "L4: Signal/PWR/GND" at 383.675,216.125 h1.52
  text "IT180A: 3313" at 297.125,213.775 h1.2
  text "4mil (102um)" at 279.825,213.75 h1
  text "CORE" at 270.975,213.625 h1
  text "G4" at 243.662,211.925 h1.52
  text "Top layer copper foil thickness" at 113.425,211.875 h1.5
  text "17.5um" at 182.925,211.875 h1.5
  text "1oz (35um)" at 248.675,211.725 h1
  text "1oz (35um)" at 248.662,211.7 h1
  text "L5: GND" at 383.775,211.625 h1.52
  text "IT180A: 2116" at 297.125,209.3 h1.2
  text "4.6mil (117um)" at 279.825,209.275 h1
  text "PP" at 270.962,209.125 h1
  text "G5" at 243.662,207.45 h1.52
  text "1oz (35um)" at 248.662,207.25 h1
  text "L6: CLK/PWR/GND" at 383.662,207.15 h1.52
  text "Track width" at 113.425,206.875 h1.5
  text "0.18mm" at 182.925,206.875 h1.5
  text "IT180A: 3313" at 297.112,204.8 h1.2
  text "4mil (102um)" at 279.812,204.775 h1
  text "CORE" at 270.962,204.65 h1
  text "G6" at 243.65,202.95 h1.52
  text "1oz (35um)" at 248.662,202.75 h1
  text "1oz (35um)" at 248.65,202.725 h1
  text "L7: GND" at 383.763,202.65 h1.52
  text ">3h" at 182.925,201.975 h1.5
  text "Distance to reference plane" at 113.425,201.875 h1.5
  text "IT180A: 3313" at 297.112,200.325 h1.2
  text "4mil (102um)" at 279.812,200.3 h1
  text "PP" at 270.95,200.15 h1
  text "102um (4 mils)" at 209.525,198.475 h1.5
  text "GBL" at 243.65,198.475 h1.52
  text "Bottom: RF/Signal/PWR/GND" at 383.7,198.45 h1.52
  text "0.5oz+plating" at 248.65,197.975 h1
  text "Dielectric thickness between layers" at 113.425,197.875 h1.5
  text "GBS" at 243.65,195.975 h1.52
  text "Soldermask (halogen free)" at 248.65,194.775 h1
  text "ADDITIONAL LAYERS:" at 385.95,194.175 h1.52
  text "GBO" at 243.65,193.375 h1.52
  text "Silkscreen" at 248.65,193.175 h1
  text "4.2" at 210.425,193.075 h1.5
  text "Dielectric permittivity between layers (Er)" at 113.425,191.875 h1.5
  text "Top-L2" at 182.925,191.875 h1.5
  text "GBP" at 243.65,190.4 h1.52
  text "Bottom solder paste" at 248.65,190.2 h1
  text "Mechanical 1: Board cutout" at 388.65,189.975 h1.52
  text "Total PCB thicknes: 0.8mm +/- 10%" at 267.25,187.675 h1.52
  text "50 Ohms (+/- 10% tolerance)" at 182.925,186.975 h1.5
  text "ASM TOP: Assembly top" at 388.65,186.975 h1.52
  text "RF (Top)" at 112.925,186.875 h2 r90
  text "Approximate microstrip line impedance" at 113.425,186.875 h1.5
  text "0.2mm drill / 0.35mm ring" at 350.025,185.33 h1.2
  text "0.2mm drill / 0.35mm ring" at 366.875,185.28 h1.2
  text "ASM BOT: Assembly bottom" at 388.65,183.975 h1.52
  text "TH via type must be resin filled with metal cap" at 315.7,182.08 h1.52
  text "Target impedance" at 113.425,181.875 h1.5
  text "Differential" at 182.925,181.875 h1.5
  text "100R" at 209.425,181.875 h1.5
  text "Mechanical 13: Component 3D body" at 388.65,180.975 h1.52
  text "Notes: Board shape and frame" at 388.725,178.05 h1.52
  text "Additional comments" at 113.425,176.875 h1.5
  text "Top layer, no side GND plane" at 182.925,176.875 h1.5
  text "Blind and micro via type can be coated with copper" at 315.8,176.105 h1.52
  text "Top layer copper foil thickness" at 113.425,171.875 h1.5
  text "17.5um" at 182.925,171.875 h1.5
  text "Track width" at 113.425,166.875 h1.5
  text "0.1 mm (3.93 mils)" at 182.925,166.875 h1.5
  text "Track spacing" at 113.425,161.875 h1.5
  text "0.1 mm (3.93 mils)" at 182.925,161.875 h1.5
  text ">3h" at 182.925,156.975 h1.5
  text "Distance to reference plane" at 113.425,156.875 h1.5
  text "102um (4 mils)" at 209.525,153.475 h1.5
  text "Dielectric thickness between layers" at 113.425,152.875 h1.5
  text "4.2" at 210.425,148.075 h1.5
  text "Dielectric permittivity between layers (Er)" at 113.425,146.875 h1.5
  text "Top-L2" at 182.925,146.875 h1.5
  text "100 Ohms (+/- 10% tolerance)" at 182.925,141.975 h1.5
  text "RF (Top)" at 112.925,141.875 h2 r90
  text "Approximate microstrip line impedance" at 113.425,141.875 h1.5
  text "Target impedance" at 113.425,136.875 h1.5
  text "Single-ended" at 182.925,136.875 h1.5
  text "50R" at 209.425,136.875 h1.5
  text "Additional comments" at 113.425,131.875 h1.5
  text "Bottom layer, no side GND plane" at 182.925,131.875 h1.5
  text "Top layer copper foil thickness" at 113.425,126.875 h1.5
  text "17.5 um" at 182.925,126.875 h1.5
  text "VERY IMPORTANT NOTES" at 235.525,123.675 h3
  text "Track width" at 113.425,121.875 h1.5
  text "0.18mm" at 182.925,121.875 h1.5
  text "GENERAL PCB SPECS" at 235.525,117.175 h1.7
  text "ADDITIONAL REQUIREMENTS" at 344.525,117.175 h1.7
  text ">3h" at 182.925,116.975 h1.5
  text "Distance to reference plane" at 113.425,116.875 h1.5
  text "102um (4 mils)" at 209.525,113.475 h1.5
  text "Dielectric thickness between layers" at 113.425,112.875 h1.5
  text "Minimum copper to copper spacing" at 236.425,112.175 h1.5
  text "0.1mm (3.9mil)" at 291.925,112.175 h1.5
  text "4.2" at 210.425,108.075 h1.5
  text "Minimum track width" at 236.425,107.175 h1.5
  text "0.1mm (3.9mil)" at 291.925,107.175 h1.5
  text "All 0.2mm vias including 0.35mm ring and 0.2mm drill via-in-pads (IC1 and IC6) must be resin filled with metal cap." at 349.375,107.175 h1.5
  text "Dielectric permittivity between layers (Er)" at 113.425,106.875 h1.5
  text "Bottom-L7" at 182.925,106.875 h1.5
  text "PCB thickness" at 236.425,102.175 h1.5
  text "0.8mm +/-10%" at 291.925,102.175 h1.5
  text "49.99 Ohms (+/- 10% tolerance)" at 182.925,101.975 h1.5
  text "RF (Bottom)" at 112.925,101.875 h2 r90
  text "Approximate microstrip line impedance" at 113.425,101.875 h1.5
  text "Target impedance" at 113.425,96.875 h1.5
  text "Differential" at 182.925,96.875 h1.5
  text "85R" at 209.425,96.875 h1.5
  text "PCB material" at 236.425,92.175 h1.5
  text "IT-180A preferred or equivalent RF-rated material (up to 3 GHz or higher)" at 292.925,92.075 h1.5
  text "Additional comments" at 113.425,91.875 h1.5
  text "Top/Bottom layers, no side GND" at 182.925,91.875 h1.5
  text "IC1 thermal pad vias with 0.4mm ring and 0.2mm drill must be resin filled with metal cap. IC1 thermal pad vias  with 0.5mm ring and 0.2mm drill must be left open (NO resin fill with metal cap). 4 vias in total, marked with note." at 349.375,91.175 h1.5
  text "External layer" at 291.925,87.175 h1.5
  text "0.5 oz+plating" at 318.525,87.175 h1.5
  text "Top layer copper foil thickness" at 113.425,86.875 h1.5
  text "17.5 um" at 182.925,86.875 h1.5
  text "Copper weight" at 236.425,82.375 h1.5
  text "Internal layer" at 291.925,82.175 h1.5
  text "1 oz" at 318.425,82.175 h1.5
  text "Track width" at 113.425,81.875 h1.5
  text "0.14 mm (5.5 mils)" at 182.925,81.875 h1.5
  text "DARK BLUE" at 291.925,77.175 h1.5
  text "Electrical test : 100 % netlist." at 349.375,77.175 h1.5
  text "Track spacing" at 113.425,76.875 h1.5
  text "0.1 mm (3.93 mils)" at 182.925,76.875 h1.5
  text "Both sides" at 291.925,72.175 h1.5
  text ">3h" at 182.925,71.975 h1.5
  text "Distance to reference plane" at 113.425,71.875 h1.5
  text "173um (6.8 mils)" at 209.525,68.475 h1.5
  text "Dielectric thickness between layers" at 113.425,67.875 h1.5
  text "Halogen free" at 291.925,67.175 h1.5
  text "Boards are to be individually bagged." at 349.375,67.175 h1.5
  text "4.2" at 210.425,63.075 h1.5
  text "Solder mask" at 236.425,62.175 h1.5
  text "Glossy finish (NOT matte)" at 291.925,62.175 h1.5
  text "Dielectric permittivity between layers (Er)" at 113.425,61.875 h1.5
  text "Top-L2 / Bottom-L7" at 182.925,61.875 h1.5
  text "White epoxy ink" at 291.925,57.175 h1.5
  text "PCB vendor to silkscreen UL and RoHS compliance marks, vendor logo and date code on bottom where shown (ignore if none of the info will be placed on PCB)" at 349.375,57.175 h1.5
  text "PCIe REQUIREMENTS #2 AND #3" at 13.3,56.975 h0.7
  text "85 Ohms (+/- 10% tolerance)" at 182.925,56.975 h1.5
  text "PCIe (Top and Bottom)" at 112.925,56.875 h2 r90
  text "Approximate microstrip line impedance" at 113.425,56.875 h1.5
  text "PCI connector / edge chamfer" at -1.95,56.725 h0.7
  text "Both sides" at 291.925,52.175 h1.5
  text "2x20 (+/- 5) / degrees" at -6.625,47.8 h0.7
  text "Halogen free" at 291.925,47.175 h1.5
  text "Assembly note: Assembly house MUST provide notes in paper with shipped board if there were any changes during assembly and the board is not assembled 100% according to BOM and P&P files. Note example:" at 349.375,44.175 h1.5
  text "2x0.3mm" at -7.499,43.05 h0.7
  text "Silkscreen" at 236.425,42.175 h1.5
  text "No silkscreen on pads" at 291.925,42.175 h1.5
  text "Comment" at 410.125,40.125 h1.5
  text "Part" at 350.725,38.875 h1.5
  text "Initial BOM asm. note" at 359.125,38.875 h1.5
  text "Current PCB status" at 377.125,38.875 h1.5
  text "0.8mm +/- 0.1mm" at -2.975,38.675 h0.7
  text "Plated" at 291.925,37.175 h1.5
  text "Non-plated" at 318.425,37.175 h1.5
  text "PCIe REQUIREMENT #1" at -7.425,36.425 h0.7
  text "R1" at 351.975,33.875 h1.5
  text "FIT" at 365.225,33.875 h1.5
  text "NF" at 383.475,33.875 h1.5
  text "Not mounted due to bad footprint" at 394.725,33.375 h1.5
  text "IC5" at 351.475,30.875 h1.5
  text "FIT" at 365.225,30.875 h1.5
  text "NF" at 383.475,30.375 h1.5
  text "Not mounted due to part shortage" at 394.725,29.875 h1.5
  text "Hole types on the PCB and information" at 236.425,27.175 h1.5
  text "Hole diameters are final manufactured diameters INCLUDING HOLE METALIZATION." at 296.125,27.175 h1.5
  text "V-score" at 292.675,22.175 h1.5
  text "Tab route" at 318.425,22.175 h1.5
  text "Route process" at 236.425,17.175 h1.5
  text "V-score and tab route" at 292.675,17.175 h1.5
  text "PCIe REQUIREMENT #1: PCI EXPRESS pads (top and bottom) - 30 micro inches of gold over 50 micro inches nickel plating" at 349.375,17.15 h1.5
  text "check key measurements" at -6.625,14.175 h0.7 r270
  text "Panel" at 236.325,12.175 h1.5
  text "Yes" at 292.675,12.175 h1.5
  text "No" at 318.425,12.175 h1.5
  text "HASL lead free" at 292.675,7.175 h1.5
  text "PCIe REQUIREMENT #2: Board edge below PCI pads must be chamfered (as shown). Edges must be free of cutting burrs" at 349.375,7.15 h1.5
  text "HASL with lead" at 292.675,2.175 h1.5
  text "Immersion gold" at 292.675,-2.825 h1.5
  text "PCIe REQUIREMENT #3: PCIe finger leader lines are acceptable" at 349.375,-2.85 h1.5
  text "0.05-0.10um of gold over / 2.50-5.00um of nickel" at 314.075,-2.925 h1
  text "OSP" at 292.675,-7.825 h1.5
  text "Blind vias can be coated with copper" at 349.375,-12.85 h1.5
  text "PCIe fingers" at 309.45,-13.095 h1
  text "Surface finish (both sides)" at 236.225,-13.125 h1.5
  text "Hard gold" at 292.675,-13.125 h1.5
Notes:
  lines w0.15: -3.25,1.075 -3.25,4.775 -0.35,4.775 ccw(c-0.35,5.375) -0.35,5.975 -3.25,5.975 -3.25,16.525 -0.35,16.525 ccw(c-0.35,17.125) -0.35,17.725 -3.25,17.725 -3.25,20.925 -0.5,20.925 ccw(c-0.5,21.425) 0,21.425 0,21.8 cw(c0.2,21.8) 0.2,22 76.55,22 cw(c76.55,21.8) 76.75,21.8 76.75,11 76.75,0.2 cw(c76.55,0.2) 76.55,0 0.2,0 cw(c0.2,0.2) 0,0.2 0,0.575 ccw(c-0.5,0.575) -0.5,1.075 -3.25,1.075
ASM BOT:
  lines w0.1: 26.3,19.025 27.175,19.425 ; 26.475,20.725 27.15,20.15 ; 26.575,18.075 27.43,18.545 ; 26.675,17.225 27.114,17.44
  lines w0.15: -3.25,1.075 -0.5,1.075 cw(c-0.5,0.575) 0,0.575 0,0.2 ccw(c0.2,0.2) 0.2,0 76.55,0 ccw(c76.55,0.2) 76.75,0.2 76.75,11 76.75,21.8 ccw(c76.55,21.8) 76.55,22 0.2,22 ccw(c0.2,21.8) 0,21.8 0,21.425 cw(c-0.5,21.425) -0.5,20.925 -3.25,20.925 -3.25,17.725 -0.35,17.725 cw(c-0.35,17.125) -0.35,16.525 -3.25,16.525 -3.25,5.975 -0.35,5.975 cw(c-0.35,5.375) -0.35,4.775 -3.25,4.775 -3.25,1.075
  text "Assembly bottom" at 47.225,23 h1.25
ASM TOP:
  text "Assembly top" at 31.35,23 h1.25

## Dimensions
-3.25,-13.509 to 0,0.2 on Mechanical1
-0.35,4.775 to -0.5,1.075 on Mechanical1
-0.35,17.725 to -0.35,16.525 on Mechanical1
-0.35,16.525 to -0.35,5.975 on Mechanical1
-0.5,20.925 to -0.35,17.725 on Mechanical1
-0.35,5.975 to -0.35,4.775 on Mechanical1
-0.35,5.375 to 3.465,9.19 on Mechanical1
76.75,11 to 73.375,8.55 on Mechanical1
76.55,22 to 76.55,0 on Mechanical1
89.925,35.18 to 89.925,-13.18 on Mechanical1
-3.25,-13.509 to 76.75,0.2 on Mechanical1
-3.25,-13.18 to 89.925,-13.18 on Mechanical1

## Text inside footprints (layer, text, board x,y; h text height)
D1: ASM TOP "A" at 39.341,13.15 h0.3; ASM TOP "C" at 38.591,13.15 h0.3
IC1: ASM BOT "1) paste/pad ratio ~60% / 2) 4 thermal pad vias  / without metal cap / 3) all other thermal pad  / vias with metal cap" at 56.841,12.7 h0.4; ASM BOT "Pad size = 0.35mm / Pad paste mask = 0.35mm / No AM2 pad" at 58.366,7.775 h0.4; ASM BOT "Footprint revision: r5" at 55.166,7.05 h0.4; Mechanical7 "0.2mm/0.5mm hole/ring vias under   / pad to be left open (no metal cap)" at 59.28,4.2 h0.35
IC6: ASM BOT "12" at 39.517,13.625 h0.3; ASM BOT "8" at 37.617,13.625 h0.3; ASM BOT "4" at 35.816,13.625 h0.3; ASM BOT "15" at 40.866,14.425 h0.3; ASM BOT "13" at 39.917,14.425 h0.3; ASM BOT "14" at 40.617,13.625 h0.3; ASM BOT "10" at 38.566,13.625 h0.3; ASM BOT "6" at 36.617,13.625 h0.3; ASM BOT "2" at 34.991,13.625 h0.3; ASM BOT "11" at 39.017,14.425 h0.3; ASM BOT "9" at 38.117,14.425 h0.3; ASM BOT "7" at 37.117,14.425 h0.3; ASM BOT "5" at 36.117,14.425 h0.3; ASM BOT "3" at 35.341,14.425 h0.3; ASM BOT "1" at 34.466,7.725 h0.3; ASM BOT "D" at 41.162,8.73 h0.3; ASM BOT "H" at 41.162,10.73 h0.3; ASM BOT "M" at 41.162,12.73 h0.3; ASM BOT "A" at 35.041,7.25 h0.3; ASM BOT "B" at 41.162,7.73 h0.3; ASM BOT "C" at 41.862,8.33 h0.3; ASM BOT "G" at 41.862,10.33 h0.3; ASM BOT "F" at 41.162,9.73 h0.3; ASM BOT "E" at 41.862,9.33 h0.3; ASM BOT "L" at 41.862,12.33 h0.3; ASM BOT "K" at 41.162,11.73 h0.3; ASM BOT "J" at 41.862,11.33 h0.3; ASM BOT "N" at 41.862,13.33 h0.3; ASM BOT "P" at 41.162,13.73 h0.3; ASM BOT "R" at 41.862,14.33 h0.3; BottomOverlay "R" at 33.55,14.425 h0.5; BottomOverlay "A" at 33.7,7.475 h0.5; BottomOverlay "1" at 34.2,6.25 h0.5 r270; BottomOverlay "15" at 42.315,15.625 h0.5
J1: ASM TOP "10" at 16.21,2.56 h0.25; ASM TOP "9" at 16.51,1.035 h0.25; ASM TOP "1" at 11.485,1.06 h0.25; ASM TOP "2" at 11.41,2.335 h0.25; TopOverlay "10" at 18.2,3.275 h0.55 r90; TopOverlay "9" at 18.2,0.25 h0.55 r90; TopOverlay "2" at 10.55,3.275 h0.55 r90; TopOverlay "1" at 10.55,0.325 h0.55 r90
J2: ASM TOP "1" at 12.425,20.35 h0.4; ASM TOP "8" at 21.25,20.375 h0.4; TopOverlay "1" at 11.15,20.375 h0.55; TopOverlay "8" at 22.45,20.375 h0.55
J4: ASM TOP "in" at 28.95,2.375 h0.3
J5: ASM TOP "in" at 33.75,2.375 h0.3
J6: ASM TOP "in" at 24.15,2.375 h0.3
J7: ASM TOP "in" at 38.55,2.375 h0.3
MECH1: ASM TOP "Shield Cover" at 53.15,2.875 h0.55
MECH2: ASM TOP "Shield Frame" at 63.166,18.725 h0.3